# Altium PCB Main Board_V15.PcbDoc (part 4 of 5) (continued)
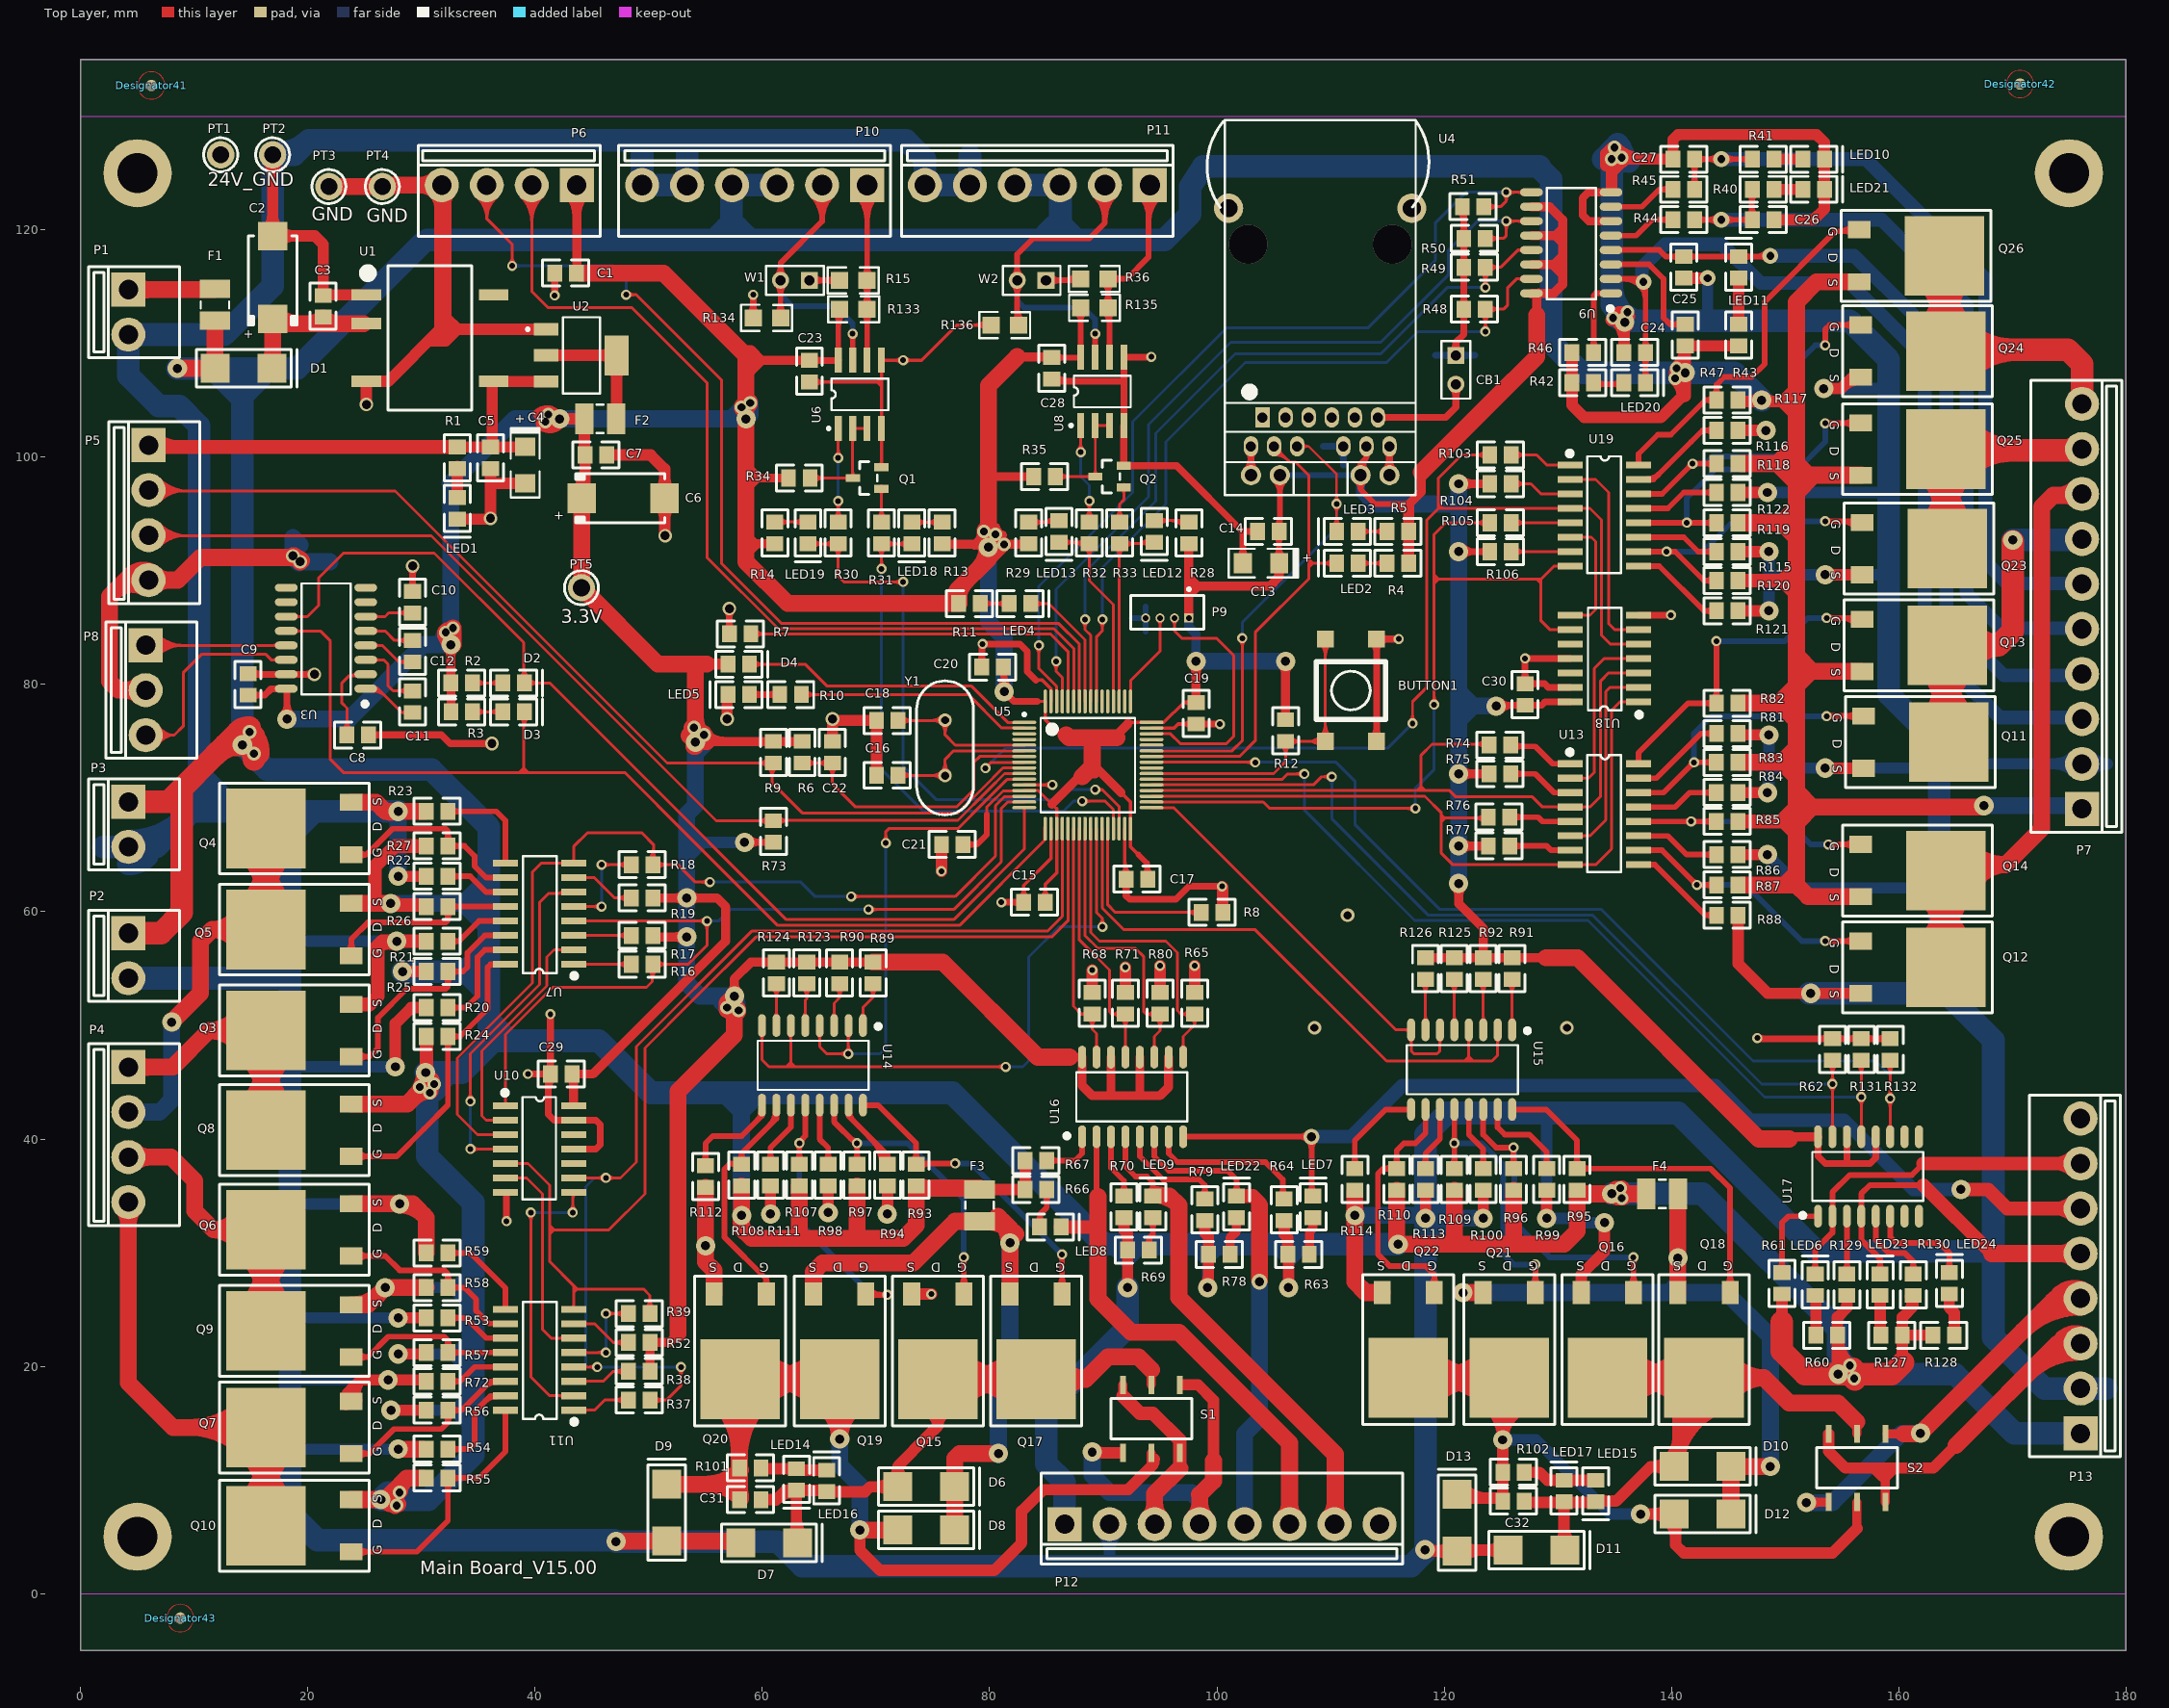
[diagram p0: Top Layer view]
## Nets (pads, with @x,y where several pads share a name; then routed paths per layer and width w, separated by ;. In a path a pad name is that pad's centre, name@x,y a point inside that pad or via, vN(x,y) a via of type N, cw(c..) or ccw(c..) an arc to the next point about the centre after c; other vN are vias at no path point) (continued)
  Top Layer w0.254: R106.2@125.791,91.694 U19.7@131.112,91.694 ; R106.2@126.288,91.324 cw(c127.181,90.431) 127.181,91.694 cw(c127.181,92.957) R106.2@126.288,92.064 ; U19.7@130.19,91.572 ccw(c129.894,91.276) 129.894,91.694 ccw(c129.894,92.112) U19.7@130.19,91.816
NetR111_2: R111.2 U14.11 | length 7.5
  Top Layer w0.5: R111.2@60.423,38.063 ccw(c59.74,38.746) 60.706,38.746 ccw(c61.672,38.746) R111.2@60.989,38.063 ; R111.2@60.706,37.78 60.706,39.243 62.498,41.035 U14.11@62.498,42.982
NetR112_2: R112.2 U14.9 | length 11.1
  Top Layer w0.5: R112.2@54.708,37.936 ccw(c54.025,38.619) 54.991,38.619 ccw(c55.957,38.619) R112.2@55.274,37.936 ; R112.2@54.737,37.78 54.991,38.034 54.991,39.624 55.626,40.259 58.166,40.259 59.958,42.051 U14.9@59.958,42.982 ; 59.589,41.682 ccw(c58.938,42.332) U14.9@59.858,42.332
NetR113_2: R113.2 U15.11 | length 7.2
  Top Layer w0.5: R113.2@118.081,37.682 ccw(c117.398,38.365) 118.364,38.365 ccw(c119.33,38.365) R113.2@118.647,37.682 ; R113.2@118.364,37.399 118.364,38.735 119.634,40.005 U15.11@119.634,42.601
NetR114_2: R114.2 U15.9 | length 10.3
  Top Layer w0.5: R114.2@111.858,37.682 ccw(c111.175,38.365) 112.141,38.365 ccw(c113.107,38.365) R114.2@112.424,37.682 ; R114.2@112.649,37.399 112.141,37.907 112.141,39.878 114.864,42.601 U15.9@117.094,42.601
NetR115_2: R115.2 U19.11 | length 8.3
  Top Layer w0.5: U19.11@137.747,92.964 141.097,92.964 142.367,91.694 R115.2@143.971,91.694 ; R115.2@143.688,91.411 ccw(c143.005,90.728) 143.005,91.694 ccw(c143.005,92.66) R115.2@143.688,91.977
NetR116_2: R116.2 U19.15 | length 11.2
  Top Layer w0.5: U19.15@137.112,98.044 138.43,98.044 141.732,101.346 142.748,102.362 R116.2@143.971,102.362 ; U19.15@137.912,98.094 ccw(c137.912,99.465) 138.882,98.496 ; R116.2@143.688,102.079 ccw(c143.005,101.396) 143.005,102.362 ccw(c143.005,103.328) R116.2@143.688,102.645
NetR121_1: R121.1 U19.9 | length 10
  Top Layer w0.5: U19.9@137.112,90.424 138.938,90.424 142.875,86.487 R121.1@143.971,86.487 ; R121.1@143.688,86.204 ccw(c143.005,85.521) 143.005,86.487 ccw(c143.005,87.453) R121.1@143.688,86.77
NetR122_2: R122.2 U19.13 | length 9
  Top Layer w0.5: U19.13@137.112,95.504 139.7,95.504 141.097,96.901 R122.2@143.971,96.901 ; R122.2@143.688,96.618 ccw(c143.005,95.935) 143.005,96.901 ccw(c143.005,97.867) R122.2@143.688,97.184
NetR123_1: R123.1 U14.5 | length 6.6
  Top Layer w0.254: R123.1@63.525,53.29 cw(c62.632,52.397) 63.895,52.397 cw(c65.158,52.397) R123.1@64.265,53.29 ; U14.5@63.61,50.79 ccw(c63.263,51.137) 63.754,51.137 ; 63.754,51.204 ccw(c64.34,51.204) U14.5@63.926,50.79 ; U14.5@63.768,49.982 63.754,49.996 63.754,52.197 63.895,52.338 R123.1@63.895,53.66
NetR124_1: R124.1 U14.7 | length 6.5
  Top Layer w0.254: R124.1@60.858,53.29 cw(c59.965,52.397) 61.228,52.397 cw(c62.491,52.397) R124.1@61.598,53.29 ; U14.7@61.07,50.79 ccw(c60.69,51.17) 61.228,51.17 ccw(c61.766,51.17) U14.7@61.386,50.79 ; U14.7@61.228,49.982 R124.1@61.228,53.66
NetR125_2: R125.2 U15.5 | length 7.3
  Top Layer w0.254: R125.2@120.534,53.671 cw(c119.641,52.778) 120.904,52.778 cw(c122.167,52.778) R125.2@121.274,53.671 ; U15.5@120.746,50.409 ccw(c120.366,50.789) 120.904,50.789 ccw(c121.442,50.789) U15.5@121.062,50.409 ; U15.5@120.904,49.601 R125.2@120.904,54.041
NetR126_1: R126.1 U15.7 | length 7.3
  Top Layer w0.254: R126.1@117.994,53.671 cw(c117.101,52.778) 118.364,52.778 cw(c119.627,52.778) R126.1@118.734,53.671 ; U15.7@118.206,50.409 ccw(c117.826,50.789) 118.364,50.789 ccw(c118.902,50.789) U15.7@118.522,50.409 ; U15.7@118.364,49.601 R126.1@118.364,54.041
NetR129_2: R129.2 U17.3 | length 6.6
  Top Layer w0.5: R129.2@155.165,28.411 ccw(c154.482,29.094) 155.448,29.094 ccw(c156.414,29.094) R129.2@155.731,28.411 ; R129.2@155.448,28.128 U17.3@155.448,33.203
NetR130_2: R130.2 U17.5 | length 8.8
  Top Layer w0.5: U17.5@157.988,33.203 157.988,31.115 159.131,29.972 160.528,29.972 161.29,29.21 R130.2@161.29,28.128 ; R130.2@161.007,28.411 ccw(c160.324,29.094) 161.29,29.094 ccw(c162.256,29.094) R130.2@161.573,28.411
NetU4_7: U4.7 U4.13 | length 6
  Top Layer w0.6: U4.13@102.581,98.841 ccw(c101.575,99.847) 102.997,99.847 ccw(c104.419,99.847) U4.13@103.413,98.841 ; U4.7@102.76,100.474 cw(c102.188,99.902) 102.997,99.902 cw(c103.806,99.902) U4.7@103.234,100.474 ; U4.13@102.997,98.425 U4.7@102.997,100.965
NetU4_12: U4.12 U4.16 | length 6
  Top Layer w0.6: U4.16@114.773,98.841 ccw(c113.767,99.847) 115.189,99.847 ccw(c116.611,99.847) U4.16@115.605,98.841 ; U4.12@114.952,100.474 cw(c114.38,99.902) 115.189,99.902 cw(c115.998,99.902) U4.12@115.426,100.474 ; U4.16@115.189,98.425 U4.12@115.189,100.965
NetU7_2: U7.2 U10.2 | length 22.5
  Top Layer w0.254: U10.2@36.464,41.534 ccw(c36.168,41.238) 36.168,41.656 ccw(c36.168,42.074) U10.2@36.464,41.778 ; U10.2@37.386,41.656 35.687,41.656 35.306,42.037 35.306,47.759 41.021,53.474 41.021,56.007 41.656,56.642 U7.2@43.386,56.642 ; U7.2@42.464,56.52 ccw(c42.168,56.224) 42.168,56.642 ccw(c42.168,57.06) U7.2@42.464,56.764
NetU7_6: U7.6 U10.4 | length 34.4
  Top Layer w0.254: v1@34.065,43.532 ccw(c33.523,44.074) 34.29,44.074 ccw(c35.057,44.074) v1@34.515,43.532 ; v1(34.29,39.116) U10.4@37.386,39.116 ; v1(34.29,43.307) 34.29,47.498 40.386,53.594 40.386,60.833 41.148,61.595 43.259,61.595 U7.6@43.386,61.722 ; v1@34.515,38.891 cw(c35.057,38.349) 35.057,39.116 cw(c35.057,39.883) v1@34.515,39.341 ; U10.4@36.464,38.994 ccw(c36.168,38.698) 36.168,39.116 ccw(c36.168,39.534) U10.4@36.464,39.238 ; 41.862,61.595 ccw(c41.862,62.446) U7.6@42.464,61.844
  Bottom Layer w0.254: v1(34.29,39.116) v1(34.29,43.307)
NetU10_6: U10.6 U11.6 | length 20.1
  Top Layer w0.254: U10.6@37.386,36.576 39.243,36.576 40.64,35.179 40.64,23.241 41.402,22.479 U11.6@43.386,22.479 ; U10.6@38.308,36.454 cw(c38.604,36.158) 38.604,36.576 cw(c38.604,36.994) U10.6@38.308,36.698 ; U11.6@42.464,22.357 ccw(c42.168,22.061) 42.168,22.479 ccw(c42.168,22.897) U11.6@42.464,22.601
NetU10_8: U10.8 U11.2 | length 28
  Top Layer w0.254: v1@39.399,33.303 cw(c38.857,32.761) 39.624,32.761 cw(c40.391,32.761) v1@39.849,33.303 ; v1(39.624,33.528) 39.624,19.05 41.275,17.399 U11.2@43.386,17.399 ; U11.2@42.464,17.277 ccw(c42.168,16.981) 42.168,17.399 ccw(c42.168,17.817) U11.2@42.464,17.521 ; v1@43.082,33.753 ccw(c42.54,34.295) 43.307,34.295 ccw(c44.074,34.295) v1@43.532,33.753 ; v1(43.307,33.528) 43.307,35.227 U10.8@43.386,35.306 ; 43.307,34.698 cw(c43.994,34.698) U10.8@43.508,35.184
  Bottom Layer w0.254: v1(39.624,33.528) v1(43.307,33.528)
NetU13_2: U13.2 U18.4 | length 17
  Top Layer w0.254: U13.2@131.112,71.755 132.715,71.755 133.223,72.263 133.223,81.407 134.112,82.296 U18.4@137.112,82.296 ; U13.2@132.034,71.633 cw(c132.33,71.337) 132.33,71.755 cw(c132.33,72.173) U13.2@132.034,71.877 ; U18.4@136.19,82.174 ccw(c135.894,81.878) 135.894,82.296 ccw(c135.894,82.714) U18.4@136.19,82.418
NetU13_6: U13.6 U18.2 | length 19.4
  Top Layer w0.254: U13.6@131.112,66.675 132.842,66.675 134.239,68.072 134.239,79.375 134.62,79.756 U18.2@137.112,79.756 ; U13.6@132.034,66.553 cw(c132.33,66.257) 132.33,66.675 cw(c132.33,67.093) U13.6@132.034,66.797 ; U18.2@136.19,79.634 ccw(c135.894,79.338) 135.894,79.756 ccw(c135.894,80.174) U18.2@136.19,79.878
NetU18_6: U18.6 U19.2 | length 19.6
  Top Layer w0.254: U19.2@131.112,98.044 133.35,98.044 134.493,96.901 134.493,85.344 135.001,84.836 U18.6@137.112,84.836 ; U19.2@132.034,97.922 cw(c132.33,97.626) 132.33,98.044 cw(c132.33,98.462) U19.2@132.034,98.166 ; U18.6@136.19,84.714 ccw(c135.894,84.418) 135.894,84.836 ccw(c135.894,85.254) U18.6@136.19,84.958
NetU18_8: U18.8 U19.6 | length 12.1
  Top Layer w0.254: U18.8@131.112,86.106 132.842,86.106 133.35,86.614 133.35,92.583 132.969,92.964 U19.6@131.112,92.964 ; U18.8@132.034,85.984 cw(c132.33,85.688) 132.33,86.106 cw(c132.33,86.524) U18.8@132.034,86.228 ; U19.6@132.034,92.842 cw(c132.33,92.546) 132.33,92.964 cw(c132.33,93.382) U19.6@132.034,93.086
NPN1: R48.2 U5.55 U9.15 | length 72.8
  Top Layer w0.254: U5.55@89.396,78.512 89.419,78.535 89.419,84.212 89.916,84.709 v1(89.916,85.725) ; v1@89.691,85.5 cw(c89.149,84.958) 89.916,84.958 cw(c90.683,84.958) v1@90.141,85.5 ; R48.2@123.262,112.56 cw(c122.369,111.667) 123.632,111.667 cw(c124.895,111.667) R48.2@124.002,112.56 ; v1@123.407,111.284 ccw(c122.865,111.826) 123.632,111.826 ccw(c124.399,111.826) v1@123.857,111.284 ; v1(123.632,111.059) R48.2@123.632,113.03 ; R48.2@123.759,113.03 125.222,113.03 125.603,113.411 125.603,114.935 126.365,115.697 U9.15@127.691,115.697 ; R48.2@124.002,112.66 cw(c124.895,111.767) 124.895,113.03 cw(c124.895,114.293) R48.2@124.002,113.4 ; U9.15@126.883,115.539 ccw(c126.503,115.159) 126.503,115.697 ccw(c126.503,116.235) U9.15@126.883,115.855
  Bottom Layer w0.254: v1(89.916,85.725) 89.916,90.297 95.504,95.885 95.504,101.346 102.489,108.331 114.935,108.331 117.663,111.059 v1@123.759,111.059
NPN2: R49.2 U5.56 U9.13 | length 74.3
  Top Layer w0.254: v1@88.167,85.5 cw(c87.625,84.958) 88.392,84.958 cw(c89.159,84.958) v1@88.617,85.5 ; v1(88.392,85.725) 88.392,84.832 88.896,84.328 U5.56@88.896,78.512 U5.56@88.9,78.516 ; R49.2@123.262,116.243 cw(c122.369,115.35) 123.632,115.35 cw(c124.895,115.35) R49.2@124.002,116.243 ; v1@123.407,115.16 ccw(c122.865,115.702) 123.632,115.702 ccw(c124.399,115.702) v1@123.857,115.16 ; v1(123.632,114.935) R49.2@123.632,116.713 ; R49.2@123.759,116.713 124.968,116.713 126.492,118.237 U9.13@127.691,118.237 ; R49.2@124.002,116.343 cw(c124.895,115.45) 124.895,116.713 cw(c124.895,117.976) R49.2@124.002,117.083 ; U9.13@126.883,118.079 ccw(c126.503,117.699) 126.503,118.237 ccw(c126.503,118.775) U9.13@126.883,118.395
  Bottom Layer w0.254: v1(88.392,85.725) 88.392,89.916 94.615,96.139 94.615,102.108 101.6,109.093 114.427,109.093 120.269,114.935 v1(123.632,114.935)
NPNSENSOR1: C24.2 LED20.2 P7.3 U9.2 | length 91.6
  Top Layer w0.5: U9.2@134.691,115.697 v5@137.221,115.697 ; 135.841,115.697 cw(c135.841,113.743) v5@137.223,115.125 ; v5@137.234,115.114 cw(c136.167,113.973) 137.729,113.973 ; LED20.2@137.446,106.936 ccw(c136.763,107.619) 137.729,107.619 ccw(c138.695,107.619) LED20.2@138.012,106.936 ; C24.2@137.446,108.837 cw(c136.763,108.154) 137.729,108.154 cw(c138.695,108.154) C24.2@138.012,108.837 ; C24.2@137.446,109.603 ccw(c136.763,110.286) 137.729,110.286 ccw(c138.695,110.286) C24.2@138.012,109.603 ; LED20.2@137.729,106.553 C24.2@137.729,109.22 137.729,113.985 v5@137.729,115.189
  Bottom Layer w1.2: v5@137.414,115.443 137.414,116.713 139.446,118.745 140.589,118.745 144.437,118.745 147.866,115.316 155.702,115.316 162.306,108.712 162.306,83.693 168.91,77.089 176.155,77.089 P7.3@176.403,76.841
  other v5: 137.541,115.443
NPNSENSOR2: C25.2 LED11.2 P7.4 U9.4 | length 79
  Top Layer w0.5: U9.4@134.691,118.237 138.938,118.237 139.512,117.663 C25.2@141.097,117.663 LED11.2@145.923,117.663 148.651,117.663 v5(148.717,117.729) ; C25.2@140.714,117.38 ccw(c140.031,116.697) 140.031,117.663 ccw(c140.031,118.629) C25.2@140.714,117.946 ; C25.2@141.48,117.38 cw(c142.163,116.697) 142.163,117.663 cw(c142.163,118.629) C25.2@141.48,117.946 ; LED11.2@145.54,117.38 ccw(c144.857,116.697) 144.857,117.663 ccw(c144.857,118.629) LED11.2@145.54,117.946 ; LED11.2@146.306,117.38 cw(c146.989,116.697) 146.989,117.663 cw(c146.989,118.629) LED11.2@146.306,117.946 ; 147.471,117.663 ccw(c147.471,118.975) v5@148.399,118.047 ; 147.79,117.663 cw(c147.79,116.802) v5@148.399,117.411
  Bottom Layer w1.2: v5(148.717,117.729) 156.083,117.729 161.417,112.395 164.211,109.601 164.211,85.852 169.262,80.801 P7.4@176.403,80.801
OSCIN1: C18.2 U5.5 Y1.1 | length 18.4
  Top Layer w0.254: C18.2@71.943,76.835 76.046,76.835 Y1.1@76.073,76.862 76.073,75.565 76.976,74.662 U5.5@83.046,74.662 ; C18.2@72.313,76.465 cw(c73.206,75.572) 73.206,76.835 cw(c73.206,78.098) C18.2@72.313,77.205 ; 74.866,76.835 ccw(c74.866,78.069) Y1.1@75.739,77.196 ; 74.996,76.835 cw(c74.996,75.785) 75.739,76.528 cw(c74.931,75.72) 76.073,75.72 cw(c77.215,75.72) Y1.1@76.407,76.528
OSCOUT1: C16.2 U5.6 Y1.2 | length 18.4
  Top Layer w0.254: C16.2@71.943,72.009 76.046,72.009 Y1.2@76.073,71.982 76.073,73.406 76.829,74.162 U5.6@83.046,74.162 ; C16.2@72.313,71.639 cw(c73.206,70.746) 73.206,72.009 cw(c73.206,73.272) C16.2@72.313,72.379 ; 74.866,72.009 cw(c74.866,70.775) Y1.2@75.739,71.648 ; 74.996,72.009 ccw(c74.996,73.059) 75.739,72.316 ccw(c74.931,73.124) 76.073,73.124 ccw(c77.215,73.124) Y1.2@76.407,72.316
OUTPUTSEN: R132.2 U5.41 U17.11 | length 93.8
  Top Layer w0.254: U5.41@94.246,73.162 v1@103.378,73.162 ; 102.587,73.162 cw(c102.587,72.361) v1@103.153,72.927 ; 102.636,73.162 ccw(c102.636,73.894) v1@103.153,73.377 ; R132.2@158.888,46.559 cw(c157.995,45.666) 159.258,45.666 cw(c160.521,45.666) R132.2@159.628,46.559 ; v1@159.033,43.336 cw(c158.491,42.794) 159.258,42.794 cw(c160.025,42.794) v1@159.483,43.336 ; v1@159.033,43.786 ccw(c158.491,44.328) 159.258,44.328 ccw(c160.025,44.328) v1@159.483,43.786 ; U17.11@159.1,41.011 ccw(c158.72,41.391) 159.258,41.391 ccw(c159.796,41.391) U17.11@159.416,41.011 ; U17.11@159.258,40.203 R132.2@159.258,46.863
  Bottom Layer w0.254: v1@103.378,73.162 110.48,73.162 112.141,71.501 112.141,67.691 119.634,60.198 122.301,60.198 133.858,60.198 147.193,46.863 157.988,46.863 159.258,45.593 v1(159.258,43.561)
  other v1: 103.378,73.152
OUTPUTSENSOR: LED24.2 U17.6 | length 10.9
  Top Layer w0.5: U17.6@159.258,33.203 159.258,31.369 159.766,30.861 163.576,30.861 164.465,29.972 LED24.2@164.465,28.255 ; LED24.2@164.182,28.538 ccw(c163.499,29.221) 164.465,29.221 ccw(c165.431,29.221) LED24.2@164.748,28.538
PNP1: R50.2 U5.61 U9.11 | length 81.1
  Top Layer w0.254: v1@85.627,81.817 cw(c85.085,81.275) 85.852,81.275 cw(c86.619,81.275) v1@86.077,81.817 ; v1(85.852,82.042) 85.852,81.153 86.396,80.609 U5.61@86.396,78.512 ; R50.2@123.759,119.253 125.222,119.253 125.476,119.507 v1(125.476,120.777) U9.11@127.691,120.777 ; R50.2@124.002,118.883 cw(c124.895,117.99) 124.895,119.253 cw(c124.895,120.516) R50.2@124.002,119.623 ; v1@125.251,120.552 cw(c124.709,120.01) 125.476,120.01 cw(c126.243,120.01) 125.701,120.552 cw(c126.243,120.01) 126.243,120.777 cw(c126.243,121.544) v1@125.701,121.002 ; U9.11@126.883,120.619 ccw(c126.503,120.239) 126.503,120.777 ccw(c126.503,121.315) U9.11@126.883,120.935
  Bottom Layer w0.254: v1(85.852,82.042) 85.852,88.392 93.98,96.52 93.98,102.87 101.219,110.109 114.427,110.109 120.396,116.078 120.396,118.237 122.936,120.777 v1(125.476,120.777) ; v1@125.251,120.552 ccw(c124.709,120.01) 124.709,120.777 ccw(c124.709,121.544) v1@125.251,121.002
PNP2: R51.2 U5.62 U9.9 | length 84.8
  Top Layer w0.254: v1@84.103,83.214 cw(c83.561,82.672) 84.328,82.672 cw(c85.095,82.672) v1@84.553,83.214 ; v1@84.328,83.566 84.328,81.661 84.328,81.407 85.896,79.839 U5.62@85.896,78.512 ; R51.2@123.505,122.047 124.968,122.047 125.476,122.555 ; R51.2@123.875,121.677 cw(c124.768,120.784) 124.768,122.047 cw(c124.768,123.31) R51.2@123.875,122.417 ; v1@125.252,123.092 cw(c124.72,122.555) 125.476,122.555 ; v1@125.7,123.092 ccw(c126.232,122.555) 125.476,122.555 ; v1@125.701,123.092 cw(c126.243,122.55) 126.243,123.317 cw(c126.243,124.084) v1@125.701,123.542 ; U9.9@126.883,123.159 ccw(c126.503,122.779) 126.503,123.317 ccw(c126.503,123.855) U9.9@126.883,123.475 ; U9.9@127.691,123.317 v1(125.476,123.317) 125.476,122.555
  Bottom Layer w0.254: v1(84.328,83.439) 84.328,88.646 92.583,96.901 92.583,103.124 100.838,111.379 113.284,111.379 119.253,117.348 119.253,120.65 121.92,123.317 v1(125.476,123.317) ; v1@125.251,123.092 ccw(c124.709,122.55) 124.709,123.317 ccw(c124.709,124.084) v1@125.251,123.542
PNPSENSOR1: C26.2 P7.5 R40.1 R44.2 | length 79.1
  Top Layer w0.5: R44.2@142.047,120.904 C26.2@147.193,120.904 ; R44.2@142.33,120.621 cw(c143.013,119.938) 143.013,120.904 cw(c143.013,121.87) R44.2@142.33,121.187 ; v5@144.081,120.586 ccw(c143.313,119.818) 143.313,120.904 ccw(c143.313,121.99) v5@144.081,121.222 ; v5@144.717,120.586 cw(c145.485,119.818) 145.485,120.904 cw(c145.485,121.99) v5@144.717,121.222 ; C26.2@146.849,120.621 ccw(c146.166,119.938) 146.166,120.904 ccw(c146.166,121.87) C26.2@146.849,121.187 ; C26.2@146.849,121.287 ccw(c146.326,121.81) 147.066,121.81 ; R40.1@146.849,123.188 cw(c146.326,122.665) 147.066,122.665 ; C26.2@147.066,121.031 R40.1@147.066,123.698 ; 147.066,122.129 ccw(c148.257,122.129) C26.2@147.415,121.287 ; 147.066,122.346 cw(c148.257,122.346) R40.1@147.415,123.188
  Bottom Layer w1.2: v5(144.399,120.904) 158.496,120.904 165.989,113.411 165.989,88.011 169.037,84.963 176.201,84.963 P7.5@176.403,84.761
PNPSENSOR2: C27.2 P7.6 R41.1 R45.2 | length 79
  Top Layer w0.5: R45.2@141.764,123.954 ccw(c141.081,124.637) 142.047,124.637 ccw(c143.013,124.637) R45.2@142.33,123.954 ; C27.2@141.764,125.855 cw(c141.081,125.172) 142.047,125.172 cw(c143.013,125.172) C27.2@142.33,125.855 ; R45.2@142.047,123.571 C27.2@142.047,126.238 R41.1@146.751,126.238 ; C27.2@142.33,125.955 cw(c143.013,125.272) 143.013,126.238 cw(c143.013,127.204) C27.2@142.33,126.521 ; v5@144.081,125.92 ccw(c143.313,125.152) 143.313,126.238 ccw(c143.313,127.324) v5@144.081,126.556 ; v5@144.717,125.92 cw(c145.485,125.152) 145.485,126.238 cw(c145.485,127.324) v5@144.717,126.556 ; R41.1@146.849,125.955 ccw(c146.166,125.272) 146.166,126.238 ccw(c146.166,127.204) R41.1@146.849,126.521
  Bottom Layer w1.2: v5(144.399,126.238) 157.099,126.238 167.64,115.697 167.64,90.805 169.545,88.9 176.224,88.9 P7.6@176.403,88.721
RESET: C22.2 R6.2 U5.7 | length 31.4
  Top Layer w0.254: R6.2@63.5,73.091 C22.2@66.167,73.091 66.167,71.247 68.199,69.215 77.082,69.215 78.613,70.746 78.613,73.152 79.123,73.662 U5.7@83.046,73.662 ; R6.2@63.97,72.721 cw(c64.863,71.828) 64.863,73.091 cw(c64.863,74.354) R6.2@63.97,73.461 ; C22.2@65.697,72.721 ccw(c64.804,71.828) 64.804,73.091 ccw(c64.804,74.354) C22.2@65.697,73.461 ; C22.2@65.797,72.721 cw(c64.904,71.828) 66.167,71.828 cw(c67.43,71.828) C22.2@66.537,72.721
RIGHT-OPPOSITE: R131.2 U5.38 U17.13 | length 89.4
  Top Layer w0.254: U5.38@94.246,71.662 105.757,71.662 106.231,72.136 v1(107.696,72.136) ; v1@107.471,71.911 ccw(c106.929,71.369) 106.929,72.136 ccw(c106.929,72.903) v1@107.471,72.361 ; R131.2@156.348,46.559 cw(c155.455,45.666) 156.718,45.666 cw(c157.981,45.666) R131.2@157.088,46.559 ; v1@156.493,43.463 cw(c155.951,42.921) 156.718,42.921 cw(c157.485,42.921) v1@156.943,43.463 ; v1@156.493,43.913 ccw(c155.951,44.455) 156.718,44.455 ccw(c157.485,44.455) v1@156.943,43.913 ; U17.13@156.56,41.011 ccw(c156.18,41.391) 156.718,41.391 ccw(c157.256,41.391) U17.13@156.876,41.011 ; U17.13@156.718,40.203 R131.2@156.718,46.863
  Bottom Layer w0.254: v1(107.696,72.136) 107.696,68.961 117.421,59.236 132.661,59.236 148.209,43.688 v1(156.718,43.688)
RIGHT-OPPOSITESENSOR: LED23.2 P13.5 U17.4 | length 34.2
  Top Layer w0.5: LED23.2@158.086,28.411 ccw(c157.403,29.094) 158.369,29.094 ccw(c159.335,29.094) LED23.2@158.652,28.411 ; LED23.2@158.369,28.128 158.369,29.464 156.718,31.115 U17.4@156.718,33.203 156.718,35.179 157.48,35.941 162.179,35.941
  Top Layer w1.2: 162.179,35.941 168.2,29.92
  Top Layer w1.5: 168.2,29.92 P13.5@176.022,29.92 ; P13.5@175.492,29.39 ccw(c174.211,28.109) 174.211,29.92 ccw(c174.211,31.731) P13.5@175.492,30.45
RIGHTGATE-A: U5.27 U15.2 U15.4 | length 55.3
  Top Layer w0.254: U5.27@89.896,67.312 89.919,67.289 89.919,60.322 91.821,58.42 103.378,58.42 114.935,46.863 124.206,46.863 124.714,47.371 U15.2@124.714,49.601 ; 121.793,46.863 122.174,47.244 ; U15.4@122.016,48.793 cw(c121.636,48.413) 122.174,48.413 cw(c122.712,48.413) U15.4@122.332,48.793 ; 122.174,46.863 122.174,47.244 ; U15.4@122.174,49.601 122.174,47.244 ; 122.555,46.863 122.174,47.244 ; U15.2@124.556,48.793 cw(c124.176,48.413) 124.714,48.413 cw(c125.252,48.413) U15.2@124.872,48.793
RIGHTGATE-B: U5.33 U15.6 U15.8 | length 39.9
  Top Layer w0.254: U5.33@94.246,69.162 96.192,69.162 110.236,55.118 115.753,49.601 U15.8@117.094,49.601 117.094,47.752 117.348,47.498 119.38,47.498 119.634,47.752 U15.6@119.634,49.601 ; U15.8@116.936,48.793 cw(c116.556,48.413) 117.094,48.413 cw(c117.632,48.413) U15.8@117.252,48.793 ; U15.8@116.936,49.443 ccw(c116.556,49.063) 116.556,49.601 ccw(c116.556,50.139) U15.8@116.936,49.759 ; U15.6@119.476,48.793 cw(c119.096,48.413) 119.634,48.413 cw(c120.172,48.413) U15.6@119.792,48.793
RIGHTS-CLOSE: R62.2 U5.37 U17.15 | length 88.2
  Top Layer w0.254: U5.37@94.246,71.162 107.23,71.162 108.5,71.162 109.22,71.882 v1(110.109,71.882) ; v1@109.884,71.657 ccw(c109.342,71.115) 109.342,71.882 ccw(c109.342,72.649) v1@109.884,72.107 ; R62.2@153.808,46.559 cw(c152.915,45.666) 154.178,45.666 cw(c155.441,45.666) R62.2@154.548,46.559 ; v1@153.953,44.606 cw(c153.411,44.064) 154.178,44.064 cw(c154.945,44.064) v1@154.403,44.606 ; v1@153.953,45.056 ccw(c153.411,45.598) 154.178,45.598 ccw(c154.945,45.598) v1@154.403,45.056 ; U17.15@154.02,41.011 ccw(c153.64,41.391) 154.178,41.391 ccw(c154.716,41.391) U17.15@154.336,41.011 ; U17.15@154.178,40.203 R62.2@154.178,47.117
  Bottom Layer w0.254: v1@109.884,71.657 cw(c109.342,71.115) 110.109,71.115 cw(c110.876,71.115) v1@110.334,71.657 ; v1(110.109,71.882) 110.109,68.199 118.618,59.69 133.096,59.69 147.955,44.831 v1(154.178,44.831)
RIGHTS-OPEN: R65.2 U5.25 U16.9 | length 32.1
  Top Layer w0.254: U5.25@88.896,67.312 88.896,58.17 89.662,57.404 95.504,57.404 96.52,56.388 96.52,51.308 96.835,50.993 ; U16.9@96.87,48.01 ccw(c96.49,48.39) 97.028,48.39 ccw(c97.566,48.39) U16.9@97.186,48.01 ; U16.9@97.028,47.202 97.028,49.022 98.044,50.038 ; R65.2@97.54,50.66 ccw(c96.835,50.079) 96.835,50.993 ; R65.2@97.54,51.326 cw(c96.835,51.907) 96.835,50.993 ; R65.2@97.762,50.552 cw(c97.434,50.038) 98.044,50.038 ; R65.2@98.326,50.552 ccw(c98.654,50.038) 98.044,50.038 ; 96.835,50.993 R65.2@98.044,50.993 98.044,50.038
RIGHTSENSOR-CLOSE: LED6.2 P13.7 U17.2 | length 35.6
  Top Layer w0.5: LED6.2@152.371,28.411 ccw(c151.688,29.094) 152.654,29.094 ccw(c153.62,29.094) LED6.2@152.937,28.411 ; LED6.2@152.654,28.128 152.654,30.226 154.178,31.75 U17.2@154.178,33.203 154.178,35.306 155.702,36.83 161.163,36.83 162.173,37.84
  Top Layer w1.2: 162.173,37.84 P13.7@176.022,37.84 ; P13.7@175.386,37.204 ccw(c173.849,35.667) 173.849,37.84 ccw(c173.849,40.013) P13.7@175.386,38.476
RIGHTSENSOR-OPEN: LED7.2 P13.6 U16.8 | length 98.9
  Top Layer w0.5: U16.8@97.028,40.202 104.959,40.202 v6(108.331,40.202) LED7.2@108.331,34.986 ; v6@108.013,40.52 cw(c107.245,41.288) 107.245,40.202 cw(c107.245,39.116) 108.013,39.884 cw(c107.245,39.116) 108.331,39.116 cw(c109.417,39.116) v6@108.649,39.884 ; LED7.2@108.075,35.269 ccw(c107.458,35.886) 108.331,35.886 ; 108.331,36.017 ccw(c109.389,36.017) LED7.2@108.641,35.269
  Top Layer w1.2: v2(165.481,35.56) 167.894,35.56 169.574,33.88 P13.6@176.022,33.88 ; P13.6@175.386,33.244 ccw(c173.849,31.707) 173.849,33.88 ccw(c173.849,36.053) P13.6@175.386,34.516
  Bottom Layer w1.2: v6(108.331,40.202) 111.83,40.202 116.332,44.704 143.891,44.704 146.939,41.656 155.194,41.656 161.29,35.56 v2(165.481,35.56)
RS232_RX2: P8.3 U3.14 | length 27.1
  Top Layer w0.254: P8.3@5.715,75.542 8.232,75.542 ; P8.3@6.442,75.074 cw(c7.301,74.521) 7.301,75.542 cw(c7.301,76.563) P8.3@6.442,76.01 ; P8.3@6.656,74.936 cw(c7.766,74.221) 7.766,75.542 cw(c7.766,76.863) P8.3@6.656,76.148 ; P8.3@6.869,74.799 cw(c8.232,73.922) 8.232,75.542 ; P8.3@6.869,76.285 ccw(c8.232,77.162) 8.232,75.542 ; U3.14@17.282,82.011 ccw(c16.902,81.631) 16.902,82.169 ccw(c16.902,82.707) U3.14@17.282,82.327 ; U3.14@18.09,82.169 16.764,82.169 16.256,82.677 11.303,82.677 10.668,82.677 9.017,81.026 9.017,76.327 8.232,75.542
RS232_TX2: P8.1 U3.13 | length 27.3
  Top Layer w0.254: P8.1@5.588,83.439 U3.13@18.09,83.439 ; P8.1@6.147,83.894 ccw(c7.246,84.993) 7.246,83.439 ; P8.1@6.327,82.85 cw(c7.748,81.429) 7.748,83.439 ; P8.1@6.327,84.074 ccw(c7.859,85.606) 7.859,83.439 ; P8.1@6.506,82.671 cw(c8.361,80.816) 8.361,83.439 ; P8.1@6.506,84.253 ccw(c8.472,86.219) 8.472,83.439 ; P8.1@6.686,82.491 cw(c8.974,80.203) 8.974,83.439 ; P8.1@6.686,84.433 ccw(c9.085,86.832) 9.085,83.439 ; U3.13@17.282,83.281 ccw(c16.902,82.901) 16.902,83.439 ccw(c16.902,83.977) U3.13@17.282,83.597
RS485-A1: P10.1 R15.2 R133.1 U6.6 | length 30.6
  Top Layer w0.5: P10.1@68.325,123.068 cw(c66.177,120.92) 69.215,120.92 ; P10.1@68.679,123.422 cw(c67.384,122.127) 69.215,122.127 ; R133.1@68.861,112.662 cw(c68.008,111.809) 69.215,111.809 cw(c70.422,111.809) R133.1@69.569,112.662 ; R133.1@68.861,113.37 ccw(c68.008,114.223) 69.215,114.223 ccw(c70.422,114.223) R133.1@69.569,113.37 ; R15.2@68.861,115.216 cw(c68.008,114.363) 69.215,114.363 cw(c70.422,114.363) R15.2@69.569,115.216 ; R15.2@68.861,115.924 ccw(c68.008,116.777) 69.215,116.777 ccw(c70.422,116.777) R15.2@69.569,115.924 ; P10.1@69.209,123.952 69.215,123.946 R15.2@69.215,115.57 R133.1@69.215,113.016 U6.6@69.215,108.537 ; 69.215,120.949 cw(c72.212,120.949) P10.1@70.093,123.068 ; 69.215,122.156 cw(c71.005,122.156) P10.1@69.739,123.422
RS485-A2: P11.1 R36.2 R135.1 U8.6 | length 33.4
  Top Layer w0.5: R135.1@90.07,113.511 ccw(c89.217,114.364) 90.424,114.364 ccw(c91.631,114.364) R135.1@90.778,113.511 ; R36.2@90.07,115.343 cw(c89.217,114.49) 90.424,114.49 cw(c91.631,114.49) R36.2@90.778,115.343 ; R135.1@90.082,112.803 cw(c88.951,111.672) 90.551,111.672 ; R135.1@90.424,113.157 R36.2@90.424,115.697 92.075,115.697 93.974,117.596 93.974,118.739 P11.1@93.974,124.714 ; U8.6@90.551,108.791 R135.1@90.551,113.03 ; 90.551,112.228 cw(c91.365,112.228) R135.1@90.79,112.803 ; R36.2@90.79,115.343 cw(c91.643,114.49) 91.643,115.697 cw(c91.643,116.904) R36.2@90.79,116.051 ; P11.1@93.217,123.068 cw(c91.39,121.241) 93.974,121.241 ; P11.1@93.571,123.422 cw(c92.597,122.448) 93.974,122.448 ; 93.974,120.628 cw(c97.425,120.628) P11.1@94.985,123.068 ; 93.974,121.835 cw(c96.218,121.835) P11.1@94.631,123.422
RS485-B1: P10.2 R134.2 U6.7 W1.2 | length 40
  Top Layer w0.5: R134.2@61.241,112.622 ccw(c60.388,113.475) 61.595,113.475 ccw(c62.802,113.475) R134.2@61.949,112.622 ; W1.2@61.241,115.216 cw(c60.388,114.363) 61.595,114.363 cw(c62.802,114.363) W1.2@61.949,115.216 ; W1.2@61.241,115.924 ccw(c60.388,116.777) 61.595,116.777 ccw(c62.802,116.777) W1.2@61.949,115.924 ; R134.2@61.595,111.887 W1.2@61.595,115.316 ; W1.2@61.595,115.57 61.595,117.094 65.249,120.748 P10.2@65.249,123.952 ; P10.2@64.365,123.068 cw(c62.231,120.934) 65.249,120.934 cw(c68.267,120.934) P10.2@66.133,123.068 ; P10.2@64.719,123.422 cw(c63.438,122.141) 65.249,122.141 cw(c67.06,122.141) P10.2@65.779,123.422 ; v1@67.807,110.733 cw(c67.475,110.401) 67.945,110.401 cw(c68.415,110.401) v1@68.083,110.733 ; U6.7@67.945,108.537 v1(67.945,110.871)
  Bottom Layer w0.5: W1.2@61.595,115.57 61.595,114.3 62.611,113.284 66.421,113.284 67.945,111.76 v1(67.945,110.871) ; v1@67.807,111.009 ccw(c67.475,111.341) 67.945,111.341 ccw(c68.415,111.341) v1@68.083,111.009
RS485-B2: P11.2 R136.2 U8.7 W2.2 | length 46.2
  Top Layer w0.5: W2.2@82.069,115.216 cw(c81.216,114.363) 82.423,114.363 cw(c83.63,114.363) W2.2@82.777,115.216 ; W2.2@82.069,115.924 ccw(c81.216,116.777) 82.423,116.777 ccw(c83.63,116.777) W2.2@82.777,115.924 ; R136.2@82.184,111.987 ccw(c81.609,112.562) 82.423,112.562 ; R136.2@82.423,111.252 W2.2@82.423,115.57 82.423,117.856 83.82,119.253 88.773,119.253 90.141,120.621 P11.2@90.141,123.952 ; 82.423,113.118 ccw(c84.023,113.118) R136.2@82.892,111.987 ; v1@89.143,110.733 cw(c88.811,110.401) 89.281,110.401 cw(c89.751,110.401) v1@89.419,110.733 ; P11.2@89.257,123.068 cw(c87.123,120.934) 90.141,120.934 cw(c93.159,120.934) P11.2@91.025,123.068 ; U8.7@89.281,108.791 v1(89.281,110.871) ; P11.2@89.611,123.422 cw(c88.33,122.141) 90.141,122.141 cw(c91.952,122.141) P11.2@90.671,123.422
  Bottom Layer w0.5: W2.2@82.423,115.57 82.423,113.792 83.058,113.157 88.265,113.157 89.281,112.141 v1(89.281,110.871) ; v1@89.143,111.009 ccw(c88.811,111.341) 89.281,111.341 ccw(c89.751,111.341) v1@89.419,111.009
RUN1: P4.1 Q3.2 Q8.2 | length 51.7
  Top Layer w1.5: P4.1@4.721,45.796 cw(c6.002,44.515) 6.002,46.326 cw(c6.002,48.137) P4.1@4.721,46.856 ; P4.1@4.826,46.326 8.099,46.326 11.317,49.544 ; Q3.2@13.993,48.072 ccw(c11.317,46.376) 11.317,49.544 ; Q3.2@13.993,51.016 cw(c11.317,52.712) 11.317,49.544 ; Q8.2@14.371,42.726 ccw(c9.677,47.42) 16.316,47.42 ccw(c22.955,47.42) Q8.2@18.261,42.726 ; Q3.2@14.371,47.599 cw(c9.677,42.905) 16.316,42.905 cw(c22.955,42.905) Q3.2@18.261,47.599 ; Q8.2@16.316,40.781 Q3.2@16.316,49.544 11.317,49.544